# Altium PCB Main_v2.PcbDoc
Units mm, origin at the board's own origin, x right, y up, seen from the top; angles counter-clockwise.
Board outline 70.49 x 93.47 mm, 2 copper layers (Top Layer, Bottom Layer); 43 components, 32 nets, 132 pads, 67 vias.
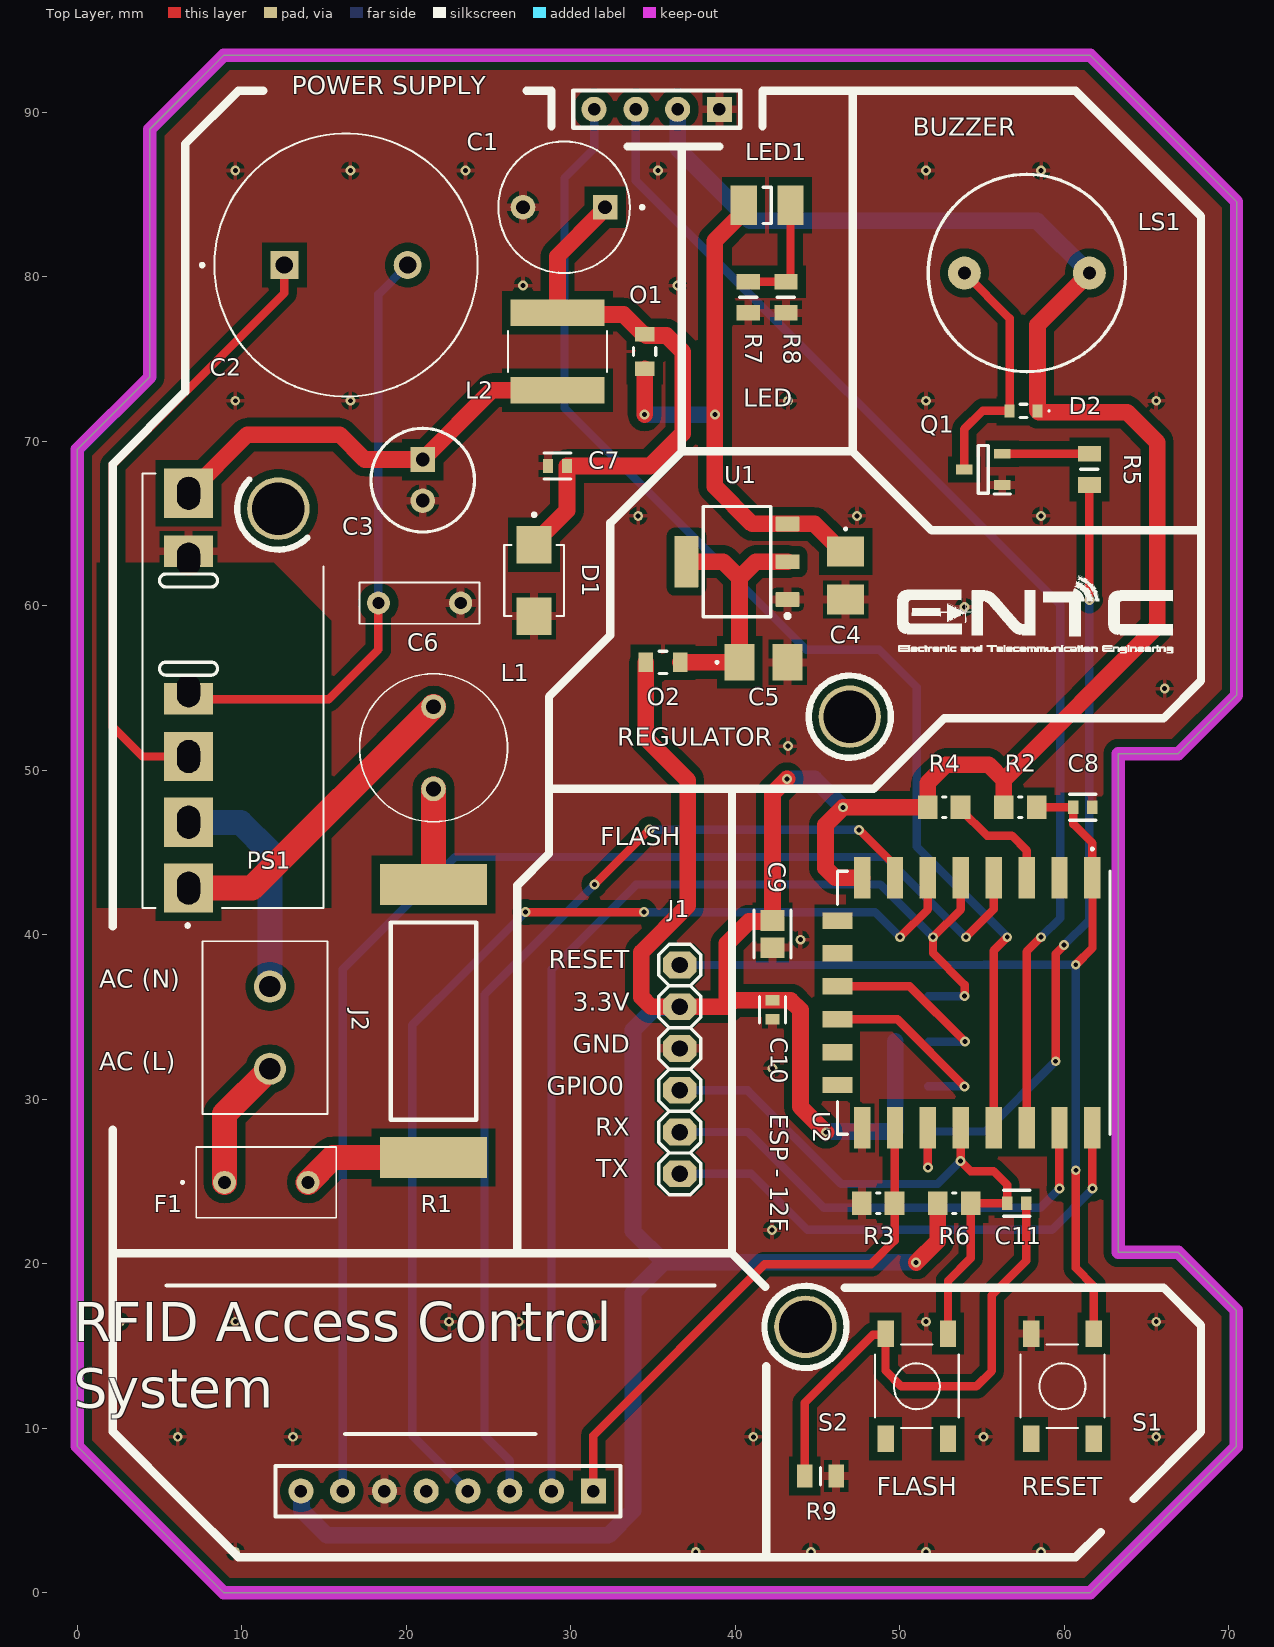
[diagram p0: Top Layer view]
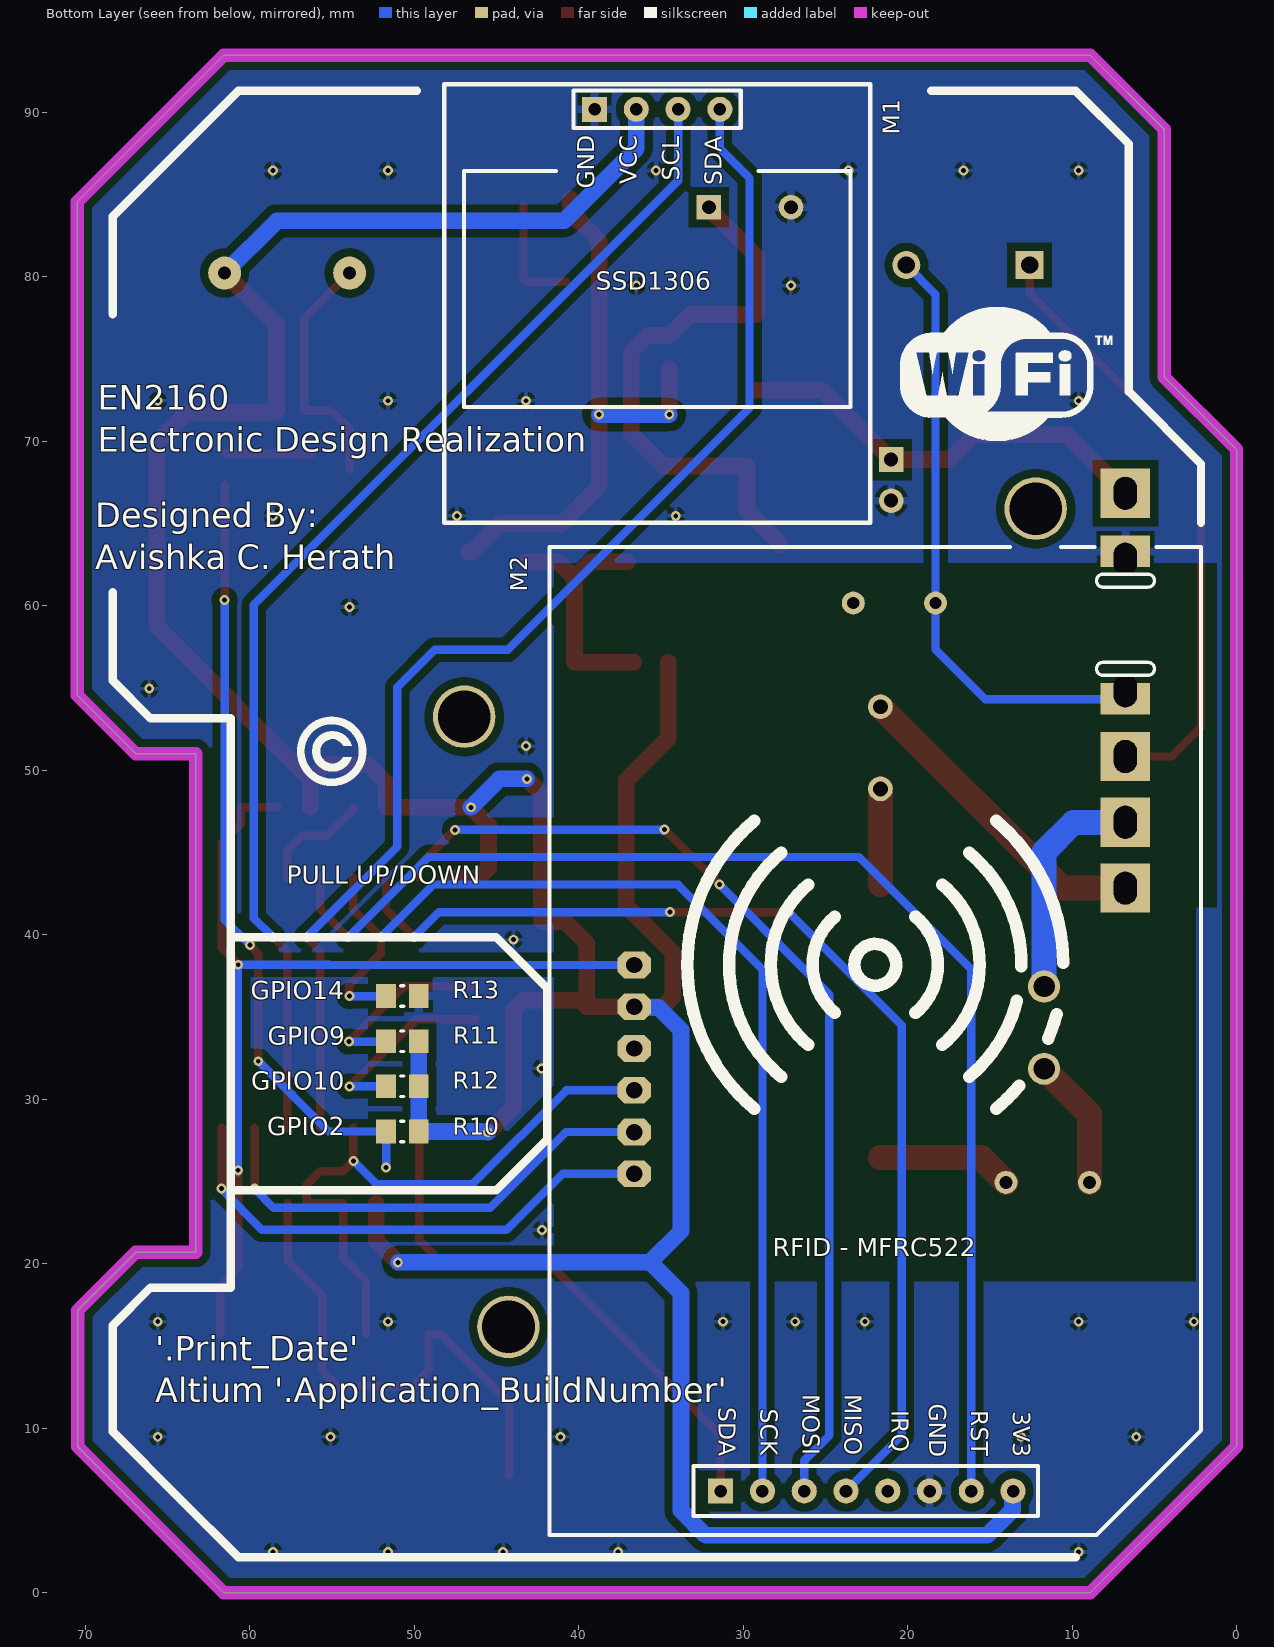
[diagram p1: Bottom Layer view, seen from below]
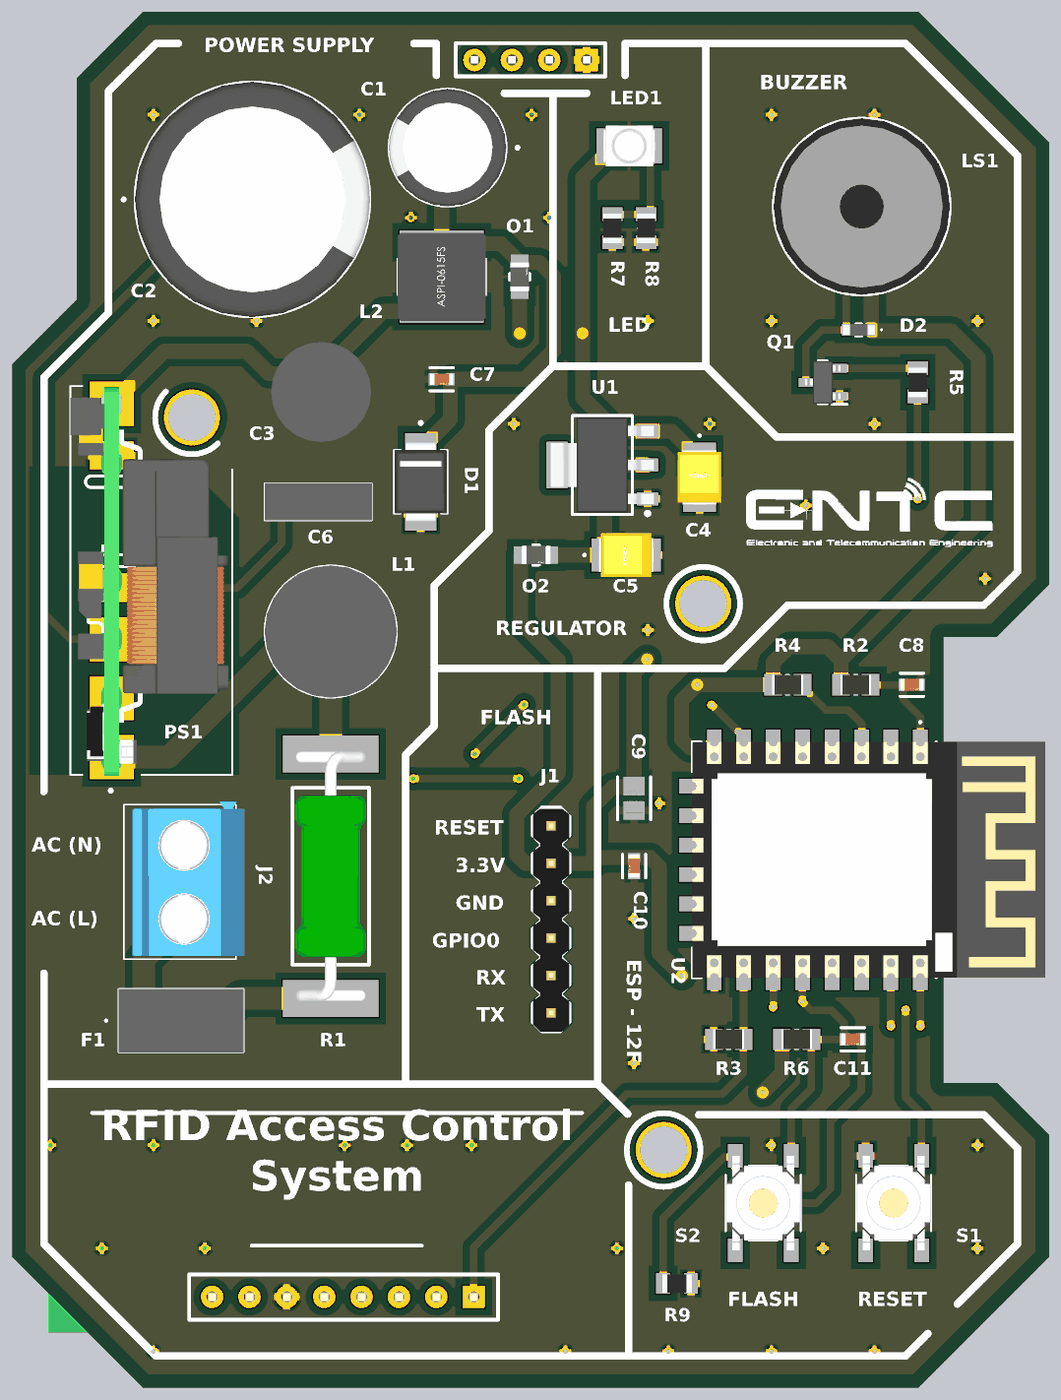
[diagram p2: 3D render of the assembled board from above, using the file's embedded part models]
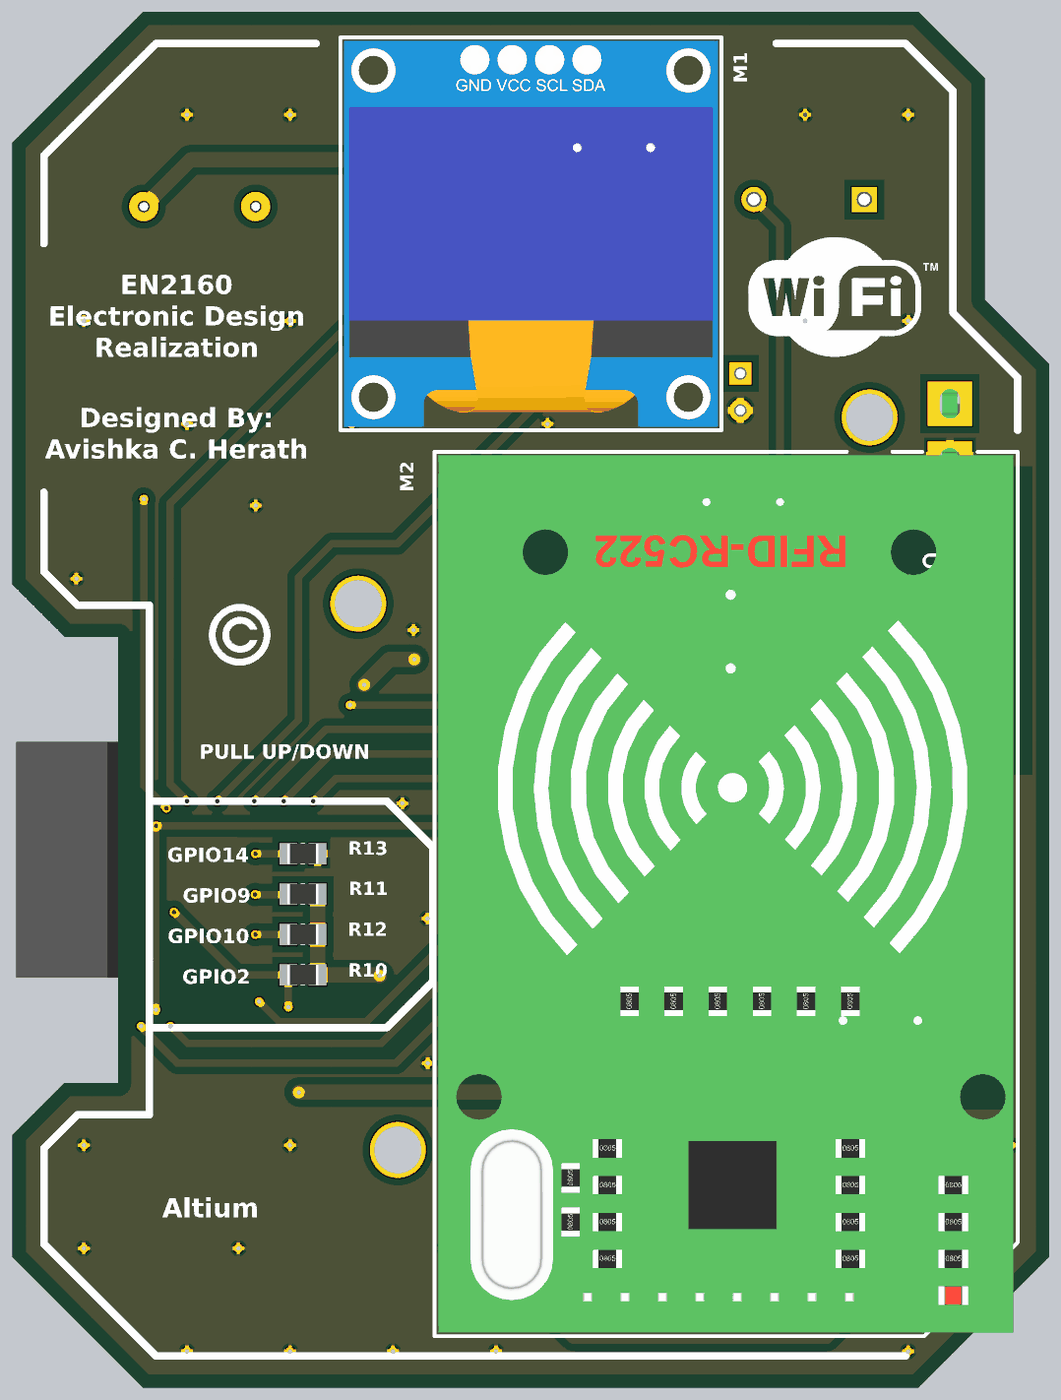
[diagram p3: 3D render of the assembled board from below, using the file's embedded part models]

## Layer stack, top to bottom
Top Solder: solder mask 0.0102, Solder Resist, Dk 3.5
Top Layer: signal copper 0.0356
Dielectric 1: dielectric 0.32, FR-4, Dk 4.8
Bottom Layer: signal copper 0.0356
Bottom Solder: solder mask 0.0102, Solder Resist, Dk 3.5

## Board outline
8.89,0 0,8.89 0,69.52 4.394,73.914 4.394,88.976 8.89,93.472 61.595,93.472 70.485,84.582 70.485,54.559 66.929,51.003 63.297,51.003 63.297,20.701 66.929,20.701 70.46,17.17 70.46,8.865 61.595,0

## Design rules (kind name [scope] priority, off if disabled: settings)
AcuteAngle [All] p1: minimum=7.50000000000000E+0001 checktracksonly=TRUE
Clearance [All] p1: gap=0.5 ignorepadtopadclearanceinfootprint=TRUE except(0: Arc-Hole Track-Hole SMDPad-Hole THPad-Hole Via-Hole Fill-Hole Poly-Hole Region-Hole Text-Hole; 0.127: Arc-Text Track-Text SMDPad-SMDPad SMDPad-THPad SMDPad-Text THPad-Text Via-Text Fill-Text Poly-Text Region-Text Text-Text; 0.2: Arc-SMDPad Track-SMDPad; 0.254: Arc-Via Track-Via Via-Via; 0.33: Arc-THPad Track-THPad; 1: Poly-Poly)
ComponentClearance IGNORE [InComponentClass('Bottom Side Components') vs InComponentClass('Top Side Components')] p1: gap=0 collisioncheckmode=3 verticalgap=2540 showdistances=FALSE
ComponentClearance ComponentClearance_1 [All] p2: gap=0.254 collisioncheckmode=3 verticalgap=0.254 showdistances=FALSE
HoleSize "Via Hole" [IsVia] p1: absolutevalues=TRUE maxlimit=0.6 minlimit=0.3 maxpercent=80.000 minpercent=20.000
HoleSize [All] p2: absolutevalues=TRUE maxlimit=6.3 minlimit=0.4 maxpercent=80.000 minpercent=20.000
HoleToHoleClearance [All] p1: gap=0.5 allowstackedmicrovias=TRUE
MinimumAnnularRing NPTH [InComponent('PS1')] p1: minimumring=0
MinimumAnnularRing Via [IsVia] p2: minimumring=0.14
MinimumAnnularRing [All] p3: minimumring=0.3
MinimumSolderMaskSliver [All] p1: minsoldermaskwidth=0.124
PolygonConnect [All] p1: thpad.connectstyle=Relief thpad.reliefconductorwidth=0.508 thpad.reliefentries=4 thpad.polygonreliefangle="90 Angle" thpad.airgapwidth=0.254 smdpad.connectstyle=Relief smdpad.reliefconductorwidth=0.508 smdpad.reliefentries=4 smdpad.polygonreliefangle="90 Angle" smdpad.airgapwidth=0.254 via.connectstyle=Relief via.reliefconductorwidth=0.254 via.reliefentries=4 via.polygonreliefangle="90 Angle" via.airgapwidth=0.254
RoutingVias [All] p1: holewidth=0.3 width=0.6 viastyle="Through Hole" minholewidth=0.3 minwidth=0.5 maxholewidth=0.711 maxwidth=1.27
SilkToSolderMaskClearance [IsPad] p1: minsilkscreentomaskgap=0.127 clearancetoexposedcopper=TRUE
SolderMaskExpansion [All] p1: expansion=0.102 istentingtop=FALSE
UnRoutedNet [All] p1: checkbadconnections=TRUE
Width GND [InNet('GND')] p1: maxlimit=1.016 minlimit=1.016 preferedwidth=1.016
Width AC [InNetClass('AC')] p2: maxlimit=1.524 minlimit=1.524 preferedwidth=1.524
Width V_out [InNetClass('V_out')] p3: maxlimit=1.016 minlimit=1.016 preferedwidth=1.016
Width [All] p4: maxlimit=0.762 minlimit=0.254 preferedwidth=0.508
24 further rules are at their usual default settings.

## Classes and differential pairs
net class V_out: +3.3V +5V NetC1_P NetC3_1 NetC5_1
net class AC: "AC (L)" "AC (N)" NetF1_2 NetL1_1 NetL1_2

## Components (designator, comment, footprint, x,y, rotation, side; value= is the part's Value field where it differs from the comment)
C1 "150uF" CAPPRD500W60D800H1150 29.594,84.239 r180 top
C2 "22uF" CAPPRD750W80D1600H2500 16.332,80.721 r0 top
C3 "270uF" CAPPRD250W65D630H900 20.999,68.896 r270 top
C4 "10uF" T491B 46.711,61.847 r270 top
C5 "10uF" T491B 41.722,56.566 r0 top
C6 "1nF" B32529C8102J 18.304,60.173 r0 top
C7 "0.1uF" FP-CL10-0_1-MFG 29.194,68.504 r0 top value=100nF
C8 "0.1uF" FP-CL10-0_1-MFG 61.138,47.752 r0 top value=100nF
C9 "10uF" FP-CL21-IPC_B 42.266,40.039 r270 top
C10 "100nF" FP-CL10-0_1-MFG 42.266,35.44 r270 top
C11 "0.1uF" FP-CL10-0_1-MFG 57.125,23.673 r0 top value=100nF
D1 "SMBJ7.0A" DIOM4336X265N 27.77,61.543 r270 top
D2 "RB501SM" RB501SM30FHT2R 57.535,71.857 r270 top
F1 "1A" SS5H1AAPH 8.945,24.943 r0 top
J1 "FLASH" My_1X06 36.627,31.813 r90 top
J2 "POWER" TB00250002BE 11.705,31.852 r90 top
L1 "1.2mH" RLB9012122KL 21.654,48.87 r90 top
L2 "4.7uH" IND_ASPI-0615FS-4R7M-T2 29.194,75.467 r90 top
LED1 "BLUE - 3.2V" 3528 41.935,84.353 r180 top
LS1 "MAGNETIC BUZZER" CMI1295IC0385T 53.934,80.239 r270 top
M1 "SSD1306 OLED (128x64)" "SSD1306 OLED (128x64)-Footprint-1" 35.23,78.384 r180 bottom
M2 "RFID - RC522" "RFID - RC522-Footprint-1" 31.369,6.172 r0 bottom
O1 "0R" FP-RC0805-MFG 34.493,75.467 r90 top value=0Ω
O2 "0R" FP-RC0805-MFG 35.605,56.566 r0 top value=0Ω
PS1 "PBO-3C-5" CONV_PBO-3C-5 6.759,54.84 r90 top
Q1 "BC848B" SOT95P240X120-3N 55.084,68.301 r180 top
R1 "12R" WA84-12RJI-Footprint-1 21.654,34.747 r90 top
R2 "10K" RESC2013X60X35ML10T20 57.328,47.752 r0 top
R3 "10K" RESC2013X60X35ML10T20 48.692,23.673 r180 top
R4 "10K" RESC2013X60X35ML10T20 52.705,47.752 r0 top
R5 "330R" RESC2012X60N 61.534,68.301 r270 top
R6 "10K" RESC2013X60X35ML10T20 53.315,23.673 r180 top
R7 "180R" RESC2012X60N 40.792,78.765 r90 top
R8 "180R" RESC2012X60N 43.078,78.765 r90 top
R9 "330R" RESC2012X60N 45.187,7.087 r180 top
R10 "10K" RESC2013X60X35ML10T20 50.724,28.042 r180 bottom
R11 "10K" RESC2013X60X35ML10T20 50.724,33.528 r180 bottom
R12 "10K" RESC2013X60X35ML10T20 50.724,30.785 r180 bottom
R13 "10K" RESC2013X60X35ML10T20 50.724,36.271 r180 bottom
S1 "RESET" SW_PTS525SM15SMTR2LFS 59.897,12.548 r270 top
S2 "FLASH" SW_PTS525SM15SMTR2LFS 51.04,12.548 r270 top
U1 "LM1117-3.3" DCY0004A_L 40.107,62.687 r180 top
U2 "ESP-12F" esp12f 58.217,35.865 r270 top

## Footprints (in the part's own frame and the unit in brackets; to place one, negate y for a bottom-side part, rotate by r counter-clockwise, add the part's x,y. Pads: shape width x height; smd on the part's side, far side on the other; paste and mask are expansions set on the pad)
3528 [mm] "Chip LED, 2-Leads, Body 3.5x2.8mm, IPC Medium Density"
  rect 1.6x2.4 smd: 1(-1.425,0) 2(1.425,0)
  silkscreen extent -0.25,-1.1 0.25,1.1, body extent -1.75,-1.4 1.75,1.4, height 1.85
B32529C8102J [mm]
  round 1.4 hole 0.75: 1(0,0) 2(5,0)
  silkscreen extent -1.15,-1.25 6.15,1.25, body extent -1.15,-1.25 6.15,1.25, height 6.6
CAPPRD250W65D630H900 [mm]
  rect 1.5x1.5 hole 0.85: 1(0,0)
  round 1.5 hole 0.85: 2(2.5,0)
  silkscreen extent -1.9,-3.15 4.4,3.15, body extent -2.14,-3.4 4.65,3.4, height 9
CAPPRD500W60D800H1150 [mm]
  round 1.5 hole 0.85: N(2.5,0)
  rect 1.5x1.5 hole 0.85: P(-2.5,0)
  silkscreen extent -4.85,-4 4,4, body extent -4,-3.99 4,3.99, height 11.5
CAPPRD750W80D1600H2500 [mm]
  round 1.7 hole 1.05: N(3.75,0)
  rect 1.7x1.7 hole 1.05: P(-3.75,0)
  silkscreen extent -8.85,-8 8,8, body extent -7.98,-7.99 8,7.99, height 25
CMI1295IC0385T [mm]
  round 2 hole 0.8: 1(0,0) 2(0,7.6)
  silkscreen extent -6,-2.2 6,9.8, body extent -5.99,-2.2 5.99,9.8, height 9.7
CONV_PBO-3C-5 [mm]
  rect 3x3 hole 1.4 slot 2 at 0 deg: 1(-12,0) 2(-8,0) 3(-4,0) 6(12,0)
  rect 1.935x3 hole 1.4 slot 2 at 0 deg unplated copper offset -0.483,0: 4(0,0)
  rect 1.935x3 hole 1.4 slot 2 at 0 deg unplated copper offset 0.483,0: 5(8,0)
  silkscreen extent -14.38,-8.2 13.2,2.8, body extent -13.28,-7.95 13.16,2.8, height 12.57
DCY0004A_L [mm] "SOT223, 4-Leads, Body 6.7x3.7mm, Pitch 2.3mm, IPC High Density"
  rrect11% 1.45x0.9 smd: 1(-3.075,2.3) 2(-3.075,0) 3(-3.075,-2.3)
  rrect7% 1.45x3.15 smd: 4(3.075,0)
  silkscreen extent -3.2,-3.35 2.05,3.42, body extent -3.5,-3.25 3.5,3.25, height 1.62
DIOM4336X265N [mm]
  rect 2.28x2.12 smd: A(2.165,0) C(-2.165,0)
  silkscreen extent -4.1,-1.81 2.16,1.81, body extent -2.72,-1.78 2.72,1.78, height 2.46
esp12f [mm]
  rect 2.5x1 smd: 1(-7.6,3.5) 2(-7.6,1.5) 3(-7.6,-0.5) 4(-7.6,-2.5) 5(-7.6,-4.5) 6(-7.6,-6.5) 7(-7.6,-8.5) 8(-7.6,-10.5) 15(7.6,-10.5) 16(7.6,-8.5) 17(7.6,-6.5) 18(7.6,-4.5) 19(7.6,-2.5) 20(7.6,-0.5) 21(7.6,1.5) 22(7.6,3.5)
  rect 1x1.8 smd: 9(-5,-12) 10(-3,-12) 11(-1,-12) 12(1,-12) 13(3,-12) 14(5,-12)
  silkscreen extent -9.4,-12 8,4.57, body extent -8,-12 8,12, height 3.1
FP-CL10-0_1-MFG [mm]
  rect 0.625x0.825 smd paste+0 mask+0: 1(-0.575,0) 2(0.575,0)
  silkscreen extent -0.8,-0.79 0.8,0.79, body extent -0.99,-0.55 0.99,0.55, height 0.25
FP-CL21-IPC_B [mm]
  rect 1.255x1.456 smd paste+0 mask+0: 1(-0.826,0) 2(0.826,0)
  silkscreen extent -1.45,-1.13 1.45,1.13, body extent -1.7,-0.98 1.7,0.98, height 0.25
FP-RC0805-MFG [mm]
  rect 0.9x1.2 smd paste+0 mask+0: 1(-1.05,0) 2(1.05,0)
  silkscreen extent -0.23,-0.67 0.23,0.67, body extent -1.6,-0.77 1.6,0.77, height 0.25
IND_ASPI-0615FS-4R7M-T2 [mm]
  rect 1.6x5.7 smd: 1(-2.35,0) 2(2.35,0)
  silkscreen extent -1.23,-3 1.23,3, body extent -3,-3 3,3, height 1
My_1X06 [mm]
  oct 1.624x2.032 hole 1: 1(-6.35,0) 2(-3.81,0) 3(-1.27,0) 4(1.27,0) 5(3.81,0) 6(6.35,0)
  silkscreen extent -7.62,-1.27 7.62,1.27, body extent -7.62,-1.25 7.52,1.25, height 8.22
RB501SM30FHT2R [mm]
  rect 0.8x0.6 smd: 1(0,0.85) 2(0,-0.85)
  silkscreen extent -0.4,-0.2 0.4,1.6, body extent -0.4,-1.09 0.4,1.09, height 0.7
RESC2012X60N [mm]
  rect 0.95x1.4 smd: 1(-0.95,0) 2(0.95,0)
  silkscreen extent 0,-0.53 0,0.53, body extent -1,-0.63 1,0.63, height 0.6
RESC2013X60X35ML10T20 [mm] "Chip Resistor, 2-Leads, Body 2.1x1.35mm, IPC Low Density"
  rect 1.2x1.45 smd: 1(-1,0) 2(1,0)
  silkscreen extent -0.1,-0.63 0.1,0.63, body extent -1.05,-0.68 1.05,0.67, height 0.6
"RFID - RC522-Footprint-1" [mil]
  rect 60x60 hole 30: 1(0,0)
  round 60 hole 30: 2(-100,0) 3(-200,0) 4(-300,0) 5(-400,0) 6(-500,0) 7(-600,0) 8(-700,0)
  silkscreen extent -1150,-2260 410,105, body extent -1138,-2251 400,95, height 311
RLB9012122KL [mm]
  round 1.5 hole 0.9: 1(0,0) 2(5,0)
  silkscreen extent -2,-4.5 7,4.5, body extent -2,-4.5 7,4.5, height 12.3
SOT95P240X120-3N [mm]
  rect 1x0.6 smd: 1(-1.15,0.95) 2(-1.15,-0.95) 3(1.15,0)
  silkscreen extent -1.65,-1.45 0.3,1.5, body extent -1.2,-1.45 1.2,1.45, height 1.2
SS5H1AAPH [mm]
  round 1.4 hole 0.8: 1(0,0) 2(5.08,0)
  silkscreen extent -2.6,-2.15 6.79,2.15, body extent -1.71,-2.15 6.79,2.15, height 8.65
"SSD1306 OLED (128x64)-Footprint-1" [mil]
  rect 60x60 hole 30: 1(-150,465)
  round 60 hole 30: 2(-50,465) 3(50,465) 4(150,465)
  silkscreen extent -510,-525 510,525, body extent -500,-516 500,516, height 398
SW_PTS525SM15SMTR2LFS [mm]
  rect 1.6x1 smd: 1(-3.2,1.9) 2(3.2,1.9) 3(-3.2,-1.9) 4(3.2,-1.9)
  silkscreen extent -2.55,-2.55 2.55,2.55, body extent -3.2,-2.55 3.2,2.55, height 1.6
T491B [mm]
  rect 1.8x2.23 smd: 1(-1.46,0) 2(1.46,0)
  silkscreen extent -2.88,-0.05 -2.78,0.05, body extent -1.85,-1.5 1.85,1.5, height 2.1
TB00250002BE [mm]
  round 1.95 hole 1.3: 1(0,0) 2(5,0)
  silkscreen extent -2.75,-3.5 7.75,4.1, body extent -2.51,-4.08 7.99,3.52, height 9.99
WA84-12RJI-Footprint-1 [mm]
  rect 2.5x6.5 smd: 1(-8.3,0) 2(8.3,0)
  silkscreen extent -6,-2.6 6,2.6, body extent -8.5,-2.4 8.5,2.4, height 6

## Part data
C1: library part EEUFR1V221B, "FR-A", Package=None, Availability=Unavailable, MF="{'manufacturer': u'Panasonic'}", MP=UHE1V151MPD1TD, Price=None
C2: library part EEUTP1E272B, "Aluminum Electrolytic Capacitors - Radial Leaded", Package=Bulk, Supplier Part Number 1=5201365, Availability=Unavailable, ComponentLink1Description=Mouser, ComponentLink1URL=https://www.mouser.com/ProductDetail/Nichicon/UVR2W220MHD?qs=%252BlpsHQzXjw%2F%252B5drQqN1W8w%3D%3D, MF=Nichicon, MP=UVR2W220MHD, Price=None, Supplier 1=Rs
C3: library part 6SEPC560MW+TSS, "Aluminum Organic Polymer Capacitors", Manufacturer_Name=KEMET, Manufacturer_Part_Number=A750EM277M1CAAE015, Mouser Part Number=667-6SEPC560MW+TSS, Arrow Part Number=6SEPC560MW+TSS, Arrow Price/Stock=https://www.arrow.com/en/products/6sepc560mwtss/panasonic?region=nac, Datasheet Link=http://industrial.panasonic.com/cdbs/www-data/pdf/AAB8000/AAB8000C247.pdf, Height=9mm, Mouser Price/Stock=https://www.mouser.co.uk/ProductDetail/Panasonic/6SEPC560MW%2bTSS?qs=OE1iw1LrrPGkg%2Fufb0Bk8Q%3D%3D
C4 C5: library part T491B106M010AT, "Capacitor Polarised", Manufacturer_Name=KEMET, Mouser Part Number=80-T491B106M010, Arrow Part Number=T491B106M010AT, Arrow Price/Stock=https://www.arrow.com/en/products/t491b106m010at/kemet-corporation?region=nac, Datasheet Link=https://content.kemet.com/datasheets/KEM_T2005_T491.pdf, Height=2.1mm, Manufacturer_Part_Number=T491B106M010AT
C6: library part B32529C8102J, "Capacitor", Manufacturer_Name=TDK, Mouser Part Number=871-B32529C8102J, Datasheet Link=https://componentsearchengine.com/Datasheets/1/B32529C8102J.pdf, Height=6.5mm, Manufacturer_Part_Number=B32529C8102J, Mouser Price/Stock=https://www.mouser.co.uk/ProductDetail/EPCOS-TDK/B32529C8102J?qs=CveI%2FUwZDBKgVtfngCVMDw%3D%3D
C7 C8 C11: library part CMP-13271-000011-1, "CAP CER 0.1UF 50V X7R 0603", Capacitance=100nF, Manufacturer="Samsung Electro-Mechanics America, Inc", Manufacturer Part Number=CL10B104JB8NNNC, Package=CL10-0.1, Temperature="-55°C to +125°C", Temperature Characteristic=X7R, Temperature Coefficient=15%, Temperature Range High=+125°C, Temperature Range Low=-55°C, Tolerance=5%, Voltage Rating=50V, Automotive=No, Category=Cap, ComponentLink2Description=Datasheet, ComponentLink2URL=http://www.samsungsem.com/kr/support/product-search/mlcc/__icsFiles/afieldfile/2019/06/18/CL10B104JB8NNNC-19.pdf, Device Class L1="Passive Components", Device Class L2=Capacitors, Device Class L3="Ceramic Capacitors", Digikey Description="CAP CER 0.1UF 50V X7R 0603", Height=0.9mm, Ipc Land Pattern Name=CAPC16080X80, Lead Free=Yes, Material=Ceramic, Octopart=https://octopart.com/cl10b104jb8nnnc-samsung-9302151, RoHS=TRUE
C9: library part CMP-2000-06102-2, "CL21 Series 0805 10uF 16V ±10% Tolerance X5R Multilayer Ceramic Chip Capacitor", Case Code (Imperial)=0805, Case Code (Metric)=2012, Dielectric=X7R, Max Operating Temperature=85°C, Min Operating Temperature=-55°C, Package Quantity=1, Tolerance=10%, Voltage=16V, Capacitance=10uF, Case/Package=0805, Depth=1.25mm, Height=1.25mm, Lead Free="Lead Free", Length=2mm, Mount="Surface Mount", Packaging="Tape and Reel", Radiation Hardening=No, Thickness=0.055inch, Voltage Rating=16V, Voltage Rating (DC)=16V, Width=0.049inch
C10: library part CMP-13271-000011-1, "CAP CER 0.1UF 50V X7R 0603", Manufacturer="Samsung Electro-Mechanics America, Inc", Manufacturer Part Number=CL10B104JB8NNNC, Package=CL10-0.1, Temperature="-55°C to +125°C", Temperature Characteristic=X7R, Temperature Coefficient=15%, Temperature Range High=+125°C, Temperature Range Low=-55°C, Tolerance=5%, Voltage Rating=50V, Automotive=No, Capacitance=100nF, Category=Cap, ComponentLink2Description=Datasheet, ComponentLink2URL=http://www.samsungsem.com/kr/support/product-search/mlcc/__icsFiles/afieldfile/2019/06/18/CL10B104JB8NNNC-19.pdf, Device Class L1="Passive Components", Device Class L2=Capacitors, Device Class L3="Ceramic Capacitors", Digikey Description="CAP CER 0.1UF 50V X7R 0603", Height=0.9mm, Ipc Land Pattern Name=CAPC16080X80, Lead Free=Yes, Material=Ceramic, Octopart=https://octopart.com/cl10b104jb8nnnc-samsung-9302151, RoHS=TRUE
D1 PS1: Package=None, Availability=Unavailable, Price=None
  D1: MF="{'manufacturer': u'Littelfuse'}", MP=SMBJ7.0A
  PS1: MF="{'manufacturer': u'CUI'}", MP=PBO-3C-5
D2: library part RB501SM-30FHT2R, "Schottky Diode", Manufacturer_Name="ROHM Semiconductor", Mouser Part Number=755-RB501SM-30FHT2R, Datasheet Link=https://fscdn.rohm.com/en/products/databook/datasheet/discrete/diode/schottky_barrier/rb501sm-30fht2r-e.pdf, Height=0.6mm, Manufacturer_Part_Number=RB501SM-30FHT2R, Mouser Price/Stock=https://www.mouser.co.uk/ProductDetail/ROHM-Semiconductor/RB501SM-30FHT2R?qs=4v%252BiZTmLVHEIefGC27iswg%3D%3D
F1: library part CMP-018-000000-1, "Fuse", Arrow Part Number=SS-5H-1A-APH, Manufacturer_Name=Eaton, Mouser Part Number=504-SS-5H-1A-APH, Arrow Price/Stock=https://www.arrow.com/en/products/ss-5h-1a-aph/eaton?region=nac, Component Type=Standard, Datasheet Link=https://www.eaton.com/content/dam/eaton/products/electronic-components/resources/data-sheet/eaton-ss-5h-subminiature-radial-leaded-time-delay-fuses-data-sheet.pdf, Design Item ID=SS-5H-1A-APH, Height=8.55mm, Manufacturer_Part_Number=SS-5H-1A-APH, Mouser Price/Stock=https://www.mouser.co.uk/ProductDetail/Bussmann-Eaton/SS-5H-1A-APH?qs=uEhifBLpbD3ldHjMqFUUYA%3D%3D, Pin Count=2, Source=SamacSys.SchLib
J1: library part "Header 6", "Header, 6-Pin", ASiD Part Number="Header 6-AS"
J2: library part TB002-500-02BE, "Connector", Manufacturer_Name="CUI Devices", Mouser Part Number=490-TB002-500-02BE, Arrow Part Number=TB002-500-02BE, Arrow Price/Stock=https://www.arrow.com/en/products/tb002-500-02be/cui-devices?region=nac, Datasheet Link=https://eu.mouser.com/datasheet/2/670/tb002_500-1550579.pdf, Height=10.4mm, Manufacturer_Part_Number=TB002-500-02BE, Mouser Price/Stock=https://www.mouser.co.uk/ProductDetail/CUI-Devices/TB002-500-02BE?qs=vLWxofP3U2x9716kcgva%2Fw%3D%3D
L1: library part RLB9012-122KL, "Inductor", Manufacturer_Name=Bourns, Mouser Part Number=652-RLB9012-122KL, Arrow Part Number=RLB9012-122KL, Arrow Price/Stock=https://www.arrow.com/en/products/rlb9012-122kl/bourns?region=nac, Datasheet Link=https://datasheet.datasheetarchive.com/originals/dk/DKDS-12/225018.pdf, Height=12.2mm, Manufacturer_Part_Number=RLB9012-122KL, Mouser Price/Stock=https://www.mouser.co.uk/ProductDetail/Bourns/RLB9012-122KL?qs=dB0LedT%252BmmC%2Fvhpfl8NA4g%3D%3D
L2: library part ASPI-0615FS-4R7M-T2, Package=None, Availability=Unavailable, MF="{'manufacturer': u'Abracon'}", MP=ASPI-0615FS-4R7M-T2, Price=None
LED1: library part CMP-1429-00005-1, "SMD mono-color Top LED, WL-SMTW, Blue", Color=Blue, Manufacturer="Wuerth Elektronik", PartNumber=150141BS73100, ComponentLink1Description="Manufacturer URL", ComponentLink1URL=http://www.we-online.com, ComponentLink2Description=Datasheet, ComponentLink2URL=http://katalog.we-online.com/led/datasheet/150141BS73100.pdf, PackageReference=3528
LS1: library part CMI-1295IC-0385T, "Loudspeaker or Buzzer", Manufacturer_Name="CUI Devices", Mouser Part Number=490-CMI-1295IC-0385T, Arrow Part Number=CMI-1295IC-0385T, Arrow Price/Stock=https://www.arrow.com/en/products/cmi-1295ic-0385t/cui-devices?region=nac, Datasheet Link=https://www.arrow.com/en/products/cmi-1295ic-0385t/cui-devices, Height=9.7mm, Manufacturer_Part_Number=CMI-1295IC-0385T, Mouser Price/Stock=https://www.mouser.co.uk/ProductDetail/CUI-Devices/CMI-1295IC-0385T?qs=OlC7AqGiEDk2g42uzfEhlg%3D%3D
M1: library part CMP-00026-00001-2, "The OLED display module is a small 0.96\" diagonal display made of individual blue OLED pixels that can be turned on or off by the controller chip. It does not require a backlight and is compatible with I2C communication through the SSD1306 driver chip.", Dimension="27.8 x27.3x 4.3 mm", Interface=I2C, Number of Pixels="128 × 64", Size="0.96\""
M2: library part CMP-00025-00003-1, "A 13.56MHz RF reader module, which use the RC522 IC, plus 2 S50 RFID cards to help you learn and add the 13.56 MHz RF transition to your project.", Operating Frequency="13.56 MHz", Dimensions=40mm×60mm, IC=MFRC522, Interface=I2C,SPI,UART
O1 O2: library part CMP-2001-04570-2, "RES SMD 0 OHM JUMPER 1/8W 0805", Manufacturer=Yageo, Manufacturer Part Number=RC0805FR-070RL, Package=RC0805, Power Rating=0.125W, Resistance=0Ω, Temperature="-55°C to +155°C", Temperature Range High=+155°C, Temperature Range Low=-55°C, Tolerance=1%, Voltage Rating=150V, Automotive=No, Category=Res, ComponentLink2Description=Datasheet, ComponentLink2URL=http://www.yageo.com/documents/recent/PYu-RC_Group_51_RoHS_L_10.pdf, Composition="Thick Film", Device Class L1="Passive Components", Device Class L2=Resistors, Device Class L3="Chip SMD Resistors", Digikey Description="RES SMD 0 OHM JUMPER 1/8W 0805", Footprint Url=http://www.yageo.com/exep/pages/download/literatures/PYu-R_Mount_10.pdf, Height=0.6mm, Ipc Land Pattern Name=RESC200125X50, Lead Free=Yes, Octopart=https://octopart.com/rc0805fr-070rl-yageo-9293404, RoHS=TRUE, Series=RC_L
Q1: library part BC848BHZGT116, "Transistor BJT NPN", Manufacturer_Name="ROHM Semiconductor", Mouser Part Number=755-BC848BHZGT116, Datasheet Link=https://componentsearchengine.com/Datasheets/2/BC848BHZGT116.pdf, Height=1.2mm, Manufacturer_Part_Number=BC848BHZGT116, Mouser Price/Stock=https://www.mouser.co.uk/ProductDetail/ROHM-Semiconductor/BC848BHZGT116?qs=zGux8KhMp6JnZZvroKxywg%3D%3D
R1: library part CMP-009-00177-4, "Through Hole Wirewound Resistor, Wa80 Series, 12 Ohm, 3 W, - 5%, 100 V, Axial Leaded Rohs Compliant: Yes", Case/Package=Axial, Body Diameter=5.2mm, Body Length=14.5mm, Lead Diameter=0.8mm, Lead Length=24.55mm
R2 R3 R4 R6 R10 R11 R12 R13: library part CMP-009-00179-1, "Res Thick Film 0805 10K Ohm 1% 0.125W(1/8W) +/-100ppm/C Epoxy Pad SMD T/R"
R5 R9: library part RC0805FR-07330RL, "Resistor", Manufacturer_Name=KEMET, Mouser Part Number=603-RC0805FR-07330RL, Datasheet Link=http://www.yageo.com/documents/recent/PYu-RC_Group_51_RoHS_L_10.pdf, Height=0.6mm, Manufacturer_Part_Number=RC0805FR-07330RL, Mouser Price/Stock=https://www.mouser.com/Search/Refine.aspx?Keyword=603-RC0805FR-07330RL
R7 R8: library part RC0805FR-07180RL, "Resistor", Manufacturer_Name=KEMET, Mouser Part Number=603-RC0805FR-07180RL, Arrow Part Number=RC0805FR-07180RL, Arrow Price/Stock=https://www.arrow.com/en/products/rc0805fr-07180rl/yageo, Datasheet Link=http://www.yageo.com/documents/recent/PYu-RC_Group_51_RoHS_L_10.pdf, Height=0.6mm, Manufacturer_Part_Number=RC0805FR-07180RL, Mouser Price/Stock=https://www.mouser.co.uk/ProductDetail/Yageo/RC0805FR-07180RL/?qs=fRxXYNj8ftG7jMu9i6mDhQ%3D%3D
S1 S2: library part CMP-035-000000-1, "Tactile Switch SPST-NO Top Actuated Surface Mount", Package="Tactile Switch CK", Availability="In Stock", Check_prices=https://www.snapeda.com/parts/PTS525SM15SMTR2%20LFS/C%2526K/view-part/?ref=eda, Component Type=Standard, Design Item ID=PTS525SM15SMTR2LFS, MF=C&K, MP="PTS525SM15SMTR2 LFS", Pin Count=4, Price=None, Purchase-URL="https://pricing.snapeda.com/search/part/PTS525SM15SMTR2 LFS/?ref=eda", SnapEDA_Link=https://www.snapeda.com/parts/PTS525SM15SMTR2%20LFS/C%2526K/view-part/?ref=snap, Source=PTS525SM15SMTR2LFS.SchLib
U1: library part CMP-0062-01639-4, "800mA Low-Dropout Linear Regulator, 4-pin SOT-223, Pb-Free", Manufacturer="Texas Instruments", PackageTopMarking=XYTT*N05A, PartNumber=LM1117MPX-3.3/NOPB, PowerWise=N, Code_IPC=SOT223-4, Code_JEDEC=TO-261-AA, ComponentLink1Description="Datasheet URL", ComponentLink1URL=http://www.ti.com/general/docs/lit/getliterature.tsp?genericPartNumber=LM1117-N&fileType=pdf, CompType="LDO IC", High-Reliability=Y, PackageDescription="Molded SOT-223, 6.50 x 3.56 x 1.6mm Body, 4 Lead, 2.3mm Pitch", PackageReference=DCY0004A, PinCount=4, RoHS=Y
U2: "Integrated Circuit", Manufacturer_Name=Ai-Thinker, Datasheet Link=https://docs.ai-thinker.com/_media/esp8266/docs/esp-12f_product_specification_en.pdf, Height=3.1mm, Manufacturer_Part_Number=ESP-12F

## Free pads (board coordinates)
  round 3.8 hole 3.2: H1(46.965,53.264) H2(12.217,65.913) H3(44.272,16.154)

## Via types
v1: diameter 0.6, hole 0.3, Top Layer to Bottom Layer, 67 vias

## Nets (pads, with @x,y where several pads share a name; then routed paths per layer and width w, separated by ;. In a path a pad name is that pad's centre, name@x,y a point inside that pad or via, vN(x,y) a via of type N, cw(c..) or ccw(c..) an arc to the next point about the centre after c; other vN are vias at no path point)
+3.3V: C9.1 C10.1 D2.1 J1.5 LS1.2 M1.2 M2.8 O2.1 R2.1 R4.1 R6.2 R10.2 R11.2 R12.2 U2.8 | length 240.3
  Top Layer w1.016: O2.1 34.555,51.958 37.109,49.403 37.109,41.758 34.29,38.938 34.29,36.219 34.885,35.623 J1.5 39.505,35.623 ; v1(43.155,49.479) 42.266,48.59 C9.1 42.214,40.813 40.839,40.813 39.505,39.479 39.505,35.623 ; v1(45.517,27.991) 43.967,29.54 43.967,35.42 43.372,36.015 39.896,36.015 39.505,35.623 ; U2.8 46.087,43.465 45.491,44.06 45.491,46.685 v1(46.558,47.752) R4.1 51.705,49.241 52.807,50.343 55.404,50.343 56.328,49.419 ; v1(51.003,20.066) 52.315,21.377 R6.2 ; R2.1 56.328,49.419 ; LS1.2 58.385,77.089 D2.1 58.461,71.78 63.83,71.78 65.659,69.952 65.659,58.75 56.328,49.419
  Bottom Layer w1.016: M2.8 13.631,6.131 13.631,5.013 15.164,3.48 32.283,3.48 33.782,4.978 33.782,18.212 35.662,20.091 ; M1.2 36.5,87.808 40.894,83.414 58.359,83.414 LS1.2 ; J1.5 36.584,35.581 35.149,35.581 33.782,34.214 33.782,21.971 35.662,20.091 ; v1(43.155,49.479) 44.831,49.479 v1(46.558,47.752) ; v1(45.517,27.991) 45.568,28.042 R10.2 R12.2 R11.2 ; v1@50.978,20.091 35.662,20.091
+5V: C4.1 LED1.2 O1.1 U1.3 | length 34.5
  Top Layer w1.016: v1(34.493,71.628) O1.1 ; LED1.2@40.51,83.953 38.76,82.203 38.76,71.501 38.76,67.259 41.032,64.987 U1.3 44.816,64.987 46.496,63.307 C4.1 ; LED1.2 LED1.2@40.51,84.753
  Bottom Layer w1.016: v1(34.493,71.628) v1(38.76,71.628)
"AC (L)": F1.1 J2.1 | length 8.1
  Top Layer w1.524: F1.1 8.945,29.092 J2.1
"AC (N)": J2.2 PS1.2 | length 13.9
  Bottom Layer w1.524: PS1.2 9.904,46.84 11.705,45.039 J2.2
EN: R4.2 U2.3 | length 6.8
  Top Layer w0.508: R4.2 53.705,47.627 55.307,46.025 56.82,46.025 57.734,45.11 57.734,43.482 U2.3
GND: C1.N C3.2 C4.2 C5.2 C6.2 C7.1 C8.2 C9.2 C10.2 D1.A J1.4 M1.1 M2.6 PS1.5 Q1.1 R3.2 R7.1 R8.1 R9.1 R13.2 S1.3 U1.1 U2.15
  other v1: 9.6,2.473 37.6,2.473 44.6,2.473 51.6,2.473 58.6,2.473 6.1,9.473 13.1,9.473 41.1,9.473 55.1,9.473 65.6,9.473 2.6,16.473 9.6,16.473 22.606,16.473 26.839,16.473 31.224,16.473 51.6,16.473 65.6,16.473 42.24,22.047 42.266,31.877 43.967,39.7 43.205,51.473 66.116,54.966 53.934,59.928 34.1,65.473 47.403,65.473 58.6,65.473 9.6,72.473 16.6,72.473 43.205,72.473 51.6,72.473 65.6,72.473 27.1,79.473 36.5,79.473 9.6,86.473 16.6,86.473 23.6,86.473 35.306,86.473 51.6,86.473 58.6,86.473
GPIO0: C11.1 J1.3 R6.1 S2.1 U2.18 | length 37.3
  Top Layer w0.508: S2.1 52.94,18.954 54.315,20.329 R6.1 C11.1 56.55,24.781 55.702,25.629 54.305,25.629 v1(53.696,26.238) 53.706,26.249 53.706,28.254 U2.18
  Bottom Layer w0.508: J1.3 40.754,30.543 46.449,24.849 52.307,24.849 v1(53.696,26.238)
GPIO2: R5.2 R10.1 U2.17 | length 50
  Top Layer w0.508: v1@51.717,25.86 U2.17 ; v1(59.487,32.309) 59.487,38.837 59.995,39.345 v1(59.995,39.37) ; v1(61.534,60.365) R5.2
  Bottom Layer w0.508: v1(51.714,25.857) R10.1@51.714,28.032 ; R10.1 55.22,28.042 v1(59.487,32.309) ; v1(59.995,39.37) 61.534,40.909 v1(61.534,60.365)
GPIO4: M1.4 U2.19 | length 76.8
  Top Layer w0.508: U2.19 55.717,39.029 v1(56.54,39.853)
  Bottom Layer w0.508: M1.4 31.42,87.808 29.616,86.004 29.616,72.034 44.323,57.328 48.768,57.328 51.029,55.067 51.029,45.364 v1(56.54,39.853)
GPIO5: M1.3 U2.20 | length 73.5
  Top Layer w0.508: U2.20 57.717,38.972 v1(58.598,39.853)
  Bottom Layer w0.508: M1.3 33.96,85.852 59.766,60.046 59.766,41.021 v1(58.598,39.853)
GPIO9: R11.1 U2.11 | length 11.4
  Top Layer w0.508: U2.11 50.613,36.865 v1(53.975,33.503)
  Bottom Layer w0.508: R11.1@51.749,33.503 v1(53.975,33.503)
GPIO10: R12.1 U2.12 | length 11.6
  Top Layer w0.508: U2.12 49.87,34.865 v1(53.95,30.785)
  Bottom Layer w0.508: R12.1 v1(53.95,30.785)
GPIO12: M2.4 U2.6 | length 67.2
  Top Layer w0.508: v1(27.254,41.377) v1(34.442,41.377) ; v1(50.026,39.853) 51.717,41.544 U2.6
  Bottom Layer w0.508: M2.4 20.362,9.559 20.362,32.182 20.362,34.51 23.749,37.897 v1@27.241,41.389 ; v1(34.442,41.377) 34.696,41.377 48.502,41.377 v1(50.026,39.853)
GPIO13: M2.3 U2.7 | length 61.6
  Top Layer w0.508: v1@31.441,43.053 v1(34.793,46.406) ; v1(47.523,46.38) 47.541,46.363 47.569,46.363 49.717,44.215 U2.7
  Bottom Layer w0.508: M2.3 26.289,8.026 24.757,9.558 24.757,36.365 26.289,37.897 v1@31.439,43.047 ; v1@31.446,43.053 v1@31.458,43.053 ; v1@34.819,46.38 34.827,46.388 34.876,46.388 34.884,46.38 v1(47.523,46.38) ; v1@34.849,46.355 v1@34.874,46.33
  other v1: 31.433,43.053
GPIO14: M2.2 R13.1 U2.5 | length 69.3
  Top Layer w0.508: U2.5 53.717,41.544 v1(52.026,39.853) 52.026,38.881 53.95,36.957 v1(53.95,36.271)
  Bottom Layer w0.508: M2.2 28.829,37.897 33.96,43.028 ; 33.96,43.053 48.825,43.053 v1(52.026,39.853) ; R13.1 v1(53.95,36.271)
GPIO15: M2.1 R3.1 U2.16 | length 33.5
  Top Layer w0.508: M2.1 31.369,9.55 41.783,19.964 48.26,19.964 49.692,21.396 R3.1 49.704,23.685 49.704,28.252 U2.16
GPIO16: M2.7 U2.4 | length 78.8
  Top Layer w0.508: v1(54.026,39.853) 55.717,41.544 U2.4
  Bottom Layer w0.508: M2.7 16.129,37.897 22.962,44.729 23.114,44.729 49.149,44.729 v1@54.008,39.87
NetC1_P: C1.P C7.2 D1.C L2.2 O1.2 | length 34.5
  Top Layer w1.016: D1.C 27.77,63.788 29.769,65.787 C7.2 34.827,68.504 36.805,70.481 36.805,75.46 35.827,76.437 34.607,76.437 34.527,76.517 O1.2 ; L2.2@29.194,77.737 29.211,77.72 33.21,77.72 O1.2@34.401,76.529 ; L2.2 29.194,81.259 31.852,83.917 31.852,83.997 32.014,84.159 C1.P@32.094,84.159
NetC2_N: C2.N C6.1 PS1.4 | length 52.9
  Top Layer w0.508: PS1.4 7.268,54.331 15.291,54.331 18.304,57.344 C6.1
  Bottom Layer w0.508: PS1.4 7.268,54.331 15.291,54.331 18.304,57.344 C6.1 18.304,78.943 C2.N
NetC2_P: C2.P PS1.3 | length 37.8
  Top Layer w0.508: PS1.3 3.948,50.84 2.159,52.629 2.159,68.605 12.582,79.029 C2.P
NetC3_1: C3.1 L2.1 PS1.6 | length 26.3
  Top Layer w1.016: PS1.6 10.329,70.409 15.951,70.409 17.464,68.896 C3.1 25.22,73.117 L2.1
NetC5_1: C5.1 O2.2 U1.2 U1.4 | length 15.7
  Top Layer w1.016: O2.2 C5.1 40.262,61.694 ; U1.4 39.268,62.687 40.262,61.694 ; U1.2 41.255,62.687 40.262,61.694
NetC11_2: C11.2 R9.2 S2.3 | length 31.7
  Top Layer w0.508: R9.2 44.237,11.547 48.362,15.672 49.064,15.672 S2.3 49.14,13.497 50.089,12.548 54.661,12.548 55.601,13.487 55.601,18.085 57.7,20.184 C11.2
NetD2_2: D2.2 LS1.1 Q1.3 | length 15.2
  Top Layer w0.508: Q1.3 53.924,68.311 53.924,70.739 55.042,71.857 D2.2 56.685,77.488 LS1.1
NetF1_2: F1.2 R1.1 | length 8.3
  Top Layer w1.524: F1.2 15.529,26.447 R1.1
NetL1_1: L1.1 R1.2 | length 5.8
  Top Layer w1.524: R1.2 L1.1
NetL1_2: L1.2 PS1.1 | length 19.5
  Top Layer w1.524: PS1.1 10.624,42.84 L1.2
NetLED1_1: LED1.1 R7.2 R8.2 | length 7.1
  Top Layer w0.508: R7.2 43.139,79.715 43.36,79.936 LED1.1
NetQ1_2: Q1.2 R5.1 | length 5.3
  Top Layer w0.508: Q1.2 R5.1
RST: C8.1 J1.6 R2.2 S1.1 U2.1 | length 59.6
  Top Layer w0.508: R2.2 C8.1 60.563,46.727 61.717,45.573 U2.1 ; v1(60.706,38.176) 61.722,39.192 U2.1@61.722,43.46 ; v1@60.709,25.552 60.709,19.733 61.797,18.644 S1.1
  Bottom Layer w0.508: J1.6 55.147,38.163 55.16,38.176 60.681,38.176 v1@60.693,38.163 ; v1@60.717,25.56 v1@60.717,38.165
  other v1: 60.709,25.679
RX: J1.2 U2.21 | length 29.2
  Top Layer w0.508: v1@59.701,24.562 59.701,28.249 U2.21
  Bottom Layer w0.508: J1.2 40.78,28.003 45.39,23.393 58.548,23.393 v1(59.717,24.562)
TX: J1.1 U2.22 | length 31.3
  Top Layer w0.508: U2.22 61.717,24.627 61.757,24.587 v1@61.757,24.562
  Bottom Layer w0.508: J1.1 40.983,25.463 44.391,22.055 59.25,22.055 v1@61.757,24.562
  other v1: 61.717,24.562
pads on no net: M2.5 S1.2 S1.4 S2.2 S2.4 U2.2 U2.9 U2.10 U2.13 U2.14

## Polygon pours and split planes (outlines as drawn)
GND on Top Layer "GND_L01_P000" (solid, remove dead copper, pour order 0): 8.89,0 0,8.89 0,69.621 0,69.52 4.394,73.914 4.394,88.976 8.89,93.472 61.595,93.472 70.485,84.582 70.485,54.559 66.929,51.003 63.297,51.003 63.297,20.701 66.929,20.701 70.46,17.17 70.46,8.865 61.595,0
GND on Bottom Layer "GND_L02_P001" (solid, remove dead copper, pour order 1): 8.89,0 0,8.89 0,69.621 0,69.52 4.394,73.914 4.394,88.976 8.89,93.472 61.595,93.472 70.485,84.582 70.485,54.559 66.929,51.003 63.297,51.003 63.297,20.701 66.929,20.701 70.46,17.17 70.46,8.865 61.595,0

## Keep-outs
Keep-Out Layer:
  the board outline again, w0.813

## Other copper
Bottom Layer:
  pour cut-out: 41.529,18.896 41.529,62.611 2.464,62.611 2.464,18.896
Multi-Layer:
  pour cut-out: 15.443,41.631 15.443,59.106 11.938,62.611 1.168,62.611 1.168,41.631

## Silkscreen, mask and mechanical layers (free items; w line width, h text height)
Top Overlay:
  drawing of 158 lines, arcs and shapes, not listed
  text "POWER SUPPLY" at 13.031,90.739 h1.91
  text "BUZZER" at 50.802,88.216 h1.91
  text "LED" at 40.498,71.74 h1.91
  text "REGULATOR" at 32.839,51.129 h1.91
  text "FLASH" at 31.805,45.081 h1.91
  text "RESET" at 28.674,37.59 h1.91
  text "AC (N)" at 1.321,36.411 h1.91
  text "3.3V" at 30.107,35.029 h1.91
  text "GND" at 30.123,32.472 h1.91
  text "AC (L)" at 1.321,31.411 h1.91
  text "GPIO0" at 28.524,29.912 h1.91
  text "ESP - 12F" at 41.768,29.108 h1.91 r270
  text "RX" at 31.491,27.401 h1.91
  text "TX" at 31.553,24.89 h1.91
  text "RFID Access Control / System" at -0.227,10.439 h4.06
  text "FLASH" at 48.605,5.558 h1.91
  text "RESET" at 57.43,5.558 h1.91
Bottom Overlay:
  drawing of 46 lines, arcs and shapes, not listed
  text "EN2160 / Electronic Design Realization" at 69.262,68.885 h2.54
  text "Designed By: / Avishka C. Herath" at 69.41,61.747 h2.54
  text "PULL UP/DOWN" at 57.758,42.738 h1.91
  text "GPIO14" at 59.947,35.723 h1.91
  text "GPIO9" at 58.898,32.963 h1.91
  text "GPIO10" at 59.919,30.203 h1.91
  text "GPIO2" at 58.928,27.442 h1.91
  text "'.Print_Date' / Altium '.Application_BuildNumber'" at 65.743,11.074 h2.54
Mechanical 1:
  the board outline again, w0.813

## Text inside footprints (layer, text, board x,y; h text height)
M1: Bottom Overlay "SSD1306" at 38.976,78.866 h1.91; Bottom Overlay "SDA" at 30.932,85.578 h1.78 r270; Bottom Overlay "SCL" at 33.514,85.853 h1.78 r270; Bottom Overlay "VCC" at 36.098,85.653 h1.78 r270; Bottom Overlay "GND" at 38.682,85.369 h1.78 r270
M2: Bottom Overlay "SDA" at 31.857,11.271 h1.78 r90; Bottom Overlay "SCK" at 29.297,11.187 h1.78 r90; Bottom Overlay "MOSI" at 26.738,12.048 h1.78 r90; Bottom Overlay "MISO" at 24.18,12.065 h1.78 r90; Bottom Overlay "IRQ" at 21.34,11.092 h1.78 r90; Bottom Overlay "GND" at 19.063,11.48 h1.78 r90; Bottom Overlay "RST" at 16.508,11.085 h1.78 r90; Bottom Overlay "3V3" at 13.947,11.029 h1.78 r90; Bottom Overlay "RFID - MFRC522" at 28.194,20.091 h1.91